# Allegro board SG2042_EVB_V2_0.brd (continued)
## Routing (per net, layer and track width the routed paths; a pad name or vN(x,y) marks a point on that pad's centre or on a via; arc(x,y) is an arc through that point) (continued)
DDR2_MA7: length 58.4
  TOP w0.173: U1.AY6 v1(93.75,209.05)
  ART07 w0.135: v1(93.75,209.05) 93.25,208.55 83.42,208.55 72.71,219.27 72.52,219.27 71.8,218.56 71.61,218.56 71.32,218.85 71.32,219.04 72.03,219.75 72.03,219.94 71.74,220.24 71.54,220.24 70.83,219.53 70.64,219.53 70.35,219.82 70.35,220.01 71.06,220.72 71.06,220.91 70.77,221.21 70.57,221.21 69.86,220.5 69.67,220.5 69.38,220.79 69.38,220.98 70.09,221.69 70.09,221.88 69.79,222.18 69.6,222.18 68.89,221.47 68.7,221.47 68.41,221.76 68.41,221.95 69.12,222.66 69.12,222.85 68.82,223.15 68.63,223.15 67.92,222.44 67.73,222.44 67.44,222.73 67.44,222.92 68.15,223.63 68.15,223.82 67.1,224.88 66.38,224.88 arc(65.85,224.98) 65.41,225.28 65.32,225.36 arc(64.92,225.63) 64.45,225.72 64.42,225.72 arc(63.95,225.82) 63.55,226.09 63.42,226.21 arc(63.02,226.48) 62.55,226.58 62.52,226.58 arc(62.05,226.67) 61.65,226.94 61.58,227.01 arc(61.12,227.32) 60.57,227.42 60.06,227.42 arc(59.52,227.53) 59.06,227.84 59.04,227.86 arc(58.58,228.17) 58.04,228.28 J3.211
DDR2_MA8: length 59
  TOP w0.173: U1.BC7 v1(94.75,206.05)
  BOTTOM w0.173: v1(94.75,206.05) 94.25,206.55 87.18,206.55 86.71,206.08 80.04,206.08 69.38,216.74 69.38,226.48 67.58,228.27 66.4,228.27 arc(65.86,228.38) 65.4,228.69 65.32,228.77 arc(64.92,229.03) 64.45,229.13 64.42,229.13 arc(63.95,229.03) 63.55,228.77 63.42,228.63 arc(63.02,228.37) 62.55,228.27 62.52,228.27 arc(62.05,228.37) 61.65,228.63 61.57,228.71 arc(61.12,229.02) 60.58,229.13 59.8,229.13 arc(59.26,229.02) 58.8,228.71 58.78,228.69 arc(58.32,228.38) 57.78,228.27 57,228.27 arc(56.46,228.17) 56,227.86 55.98,227.84 arc(55.52,227.53) 54.98,227.42 J3.68
DDR2_MA9: length 60.1
  TOP w0.173: U1.AW7 v1(94.75,210.05)
  ART05 w0.135: v1(94.75,210.05) 94.25,209.55 84.12,209.55 72.26,221.41 72.26,221.6 72.83,222.17 72.83,222.36 72.54,222.66 72.35,222.66 71.78,222.09 71.59,222.09 71.29,222.38 71.29,222.57 71.86,223.14 71.86,223.33 71.57,223.63 71.38,223.63 70.81,223.06 70.62,223.06 70.32,223.35 70.32,223.54 70.89,224.11 70.89,224.31 70.6,224.6 70.41,224.6 69.84,224.03 69.65,224.03 69.35,224.32 69.35,224.51 69.92,225.08 69.92,225.28 69.63,225.57 69.44,225.57 68.87,225 68.68,225 68.38,225.29 68.38,225.48 68.95,226.06 68.95,226.25 68.66,226.54 68.47,226.54 67.9,225.97 67.71,225.97 67.1,226.58 66.4,226.58 arc(65.86,226.68) 65.4,226.99 65.32,227.06 arc(64.92,227.33) 64.45,227.42 64.42,227.42 arc(63.95,227.52) 63.55,227.79 63.42,227.91 arc(63.02,228.18) 62.55,228.27 62.52,228.27 arc(62.05,228.37) 61.65,228.64 61.58,228.71 arc(61.12,229.02) 60.57,229.13 59.8,229.13 arc(59.26,229.23) 58.8,229.54 58.78,229.56 arc(58.32,229.87) 57.77,229.97 57,229.97 arc(56.46,229.87) 56,229.56 55.98,229.54 arc(55.52,229.23) 54.98,229.13 J3.66
DDR2_MA10: length 56.2
  TOP w0.173: U1.BE7 v1(94.75,204.05)
  ART05 w0.135: v1(94.75,204.05) 94.25,204.55 88.5,204.55 88.39,204.44 74.75,204.44 73,206.19 73,206.38 73.77,207.15 73.77,207.34 73.47,207.63 73.28,207.63 72.52,206.87 72.33,206.87 72.03,207.16 72.03,207.35 72.8,208.12 72.8,208.31 72.5,208.6 72.31,208.6 71.55,207.84 71.36,207.84 71.06,208.13 71.06,208.32 71.83,209.09 71.83,209.28 71.53,209.57 71.34,209.57 70.58,208.81 70.39,208.81 70.09,209.1 70.09,209.29 70.86,210.06 70.86,210.25 70.56,210.54 70.37,210.54 69.61,209.78 69.42,209.78 69.12,210.07 69.12,210.26 69.88,211.03 69.88,211.22 69.59,211.51 69.4,211.51 68.64,210.75 68.45,210.75 67.92,211.27 66.4,211.27 arc(65.86,211.17) 65.4,210.86 65.32,210.79 arc(64.92,210.52) 64.45,210.43 64.42,210.43 arc(63.95,210.52) 63.55,210.79 63.42,210.91 arc(63.02,211.18) 62.55,211.27 62.52,211.27 arc(62.05,211.18) 61.65,210.91 61.58,210.84 arc(61.12,210.53) 60.57,210.43 59.8,210.43 arc(59.26,210.53) 58.8,210.84 58.78,210.86 arc(58.32,211.17) 57.77,211.28 J3.225
DDR2_MA11: length 58.4
  TOP w0.173: U1.AW5 v1(92.75,210.05)
  ART07 w0.135: J3.210 57.7,230.04 arc(58.57,230.62) 59.6,230.83 60.57,230.83 arc(61.12,230.72) 61.58,230.41 61.65,230.34 arc(62.05,230.07) 62.52,229.97 62.55,229.97 arc(63.02,229.88) 63.42,229.61 63.55,229.49 arc(63.95,229.22) 64.42,229.13 64.45,229.13 arc(64.92,229.03) 65.32,228.76 65.42,228.67 arc(65.85,228.38) 66.37,228.27 67.08,228.27 67.63,227.72 67.63,227.53 66.92,226.82 66.92,226.63 67.21,226.34 67.4,226.34 68.11,227.05 68.3,227.05 68.6,226.75 68.6,226.56 67.89,225.85 67.89,225.66 68.18,225.37 68.37,225.37 69.08,226.08 69.27,226.08 69.57,225.78 69.57,225.59 68.86,224.88 68.86,224.69 69.15,224.4 69.34,224.4 70.05,225.11 70.24,225.11 70.54,224.81 70.54,224.62 69.83,223.91 69.83,223.72 70.12,223.43 70.31,223.43 71.02,224.14 71.21,224.14 71.51,223.84 71.51,223.65 70.8,222.94 70.8,222.75 71.09,222.46 71.28,222.46 71.99,223.17 72.18,223.17 72.59,222.76 72.59,220.5 83.54,209.55 92.25,209.55 v1(92.75,210.05)
DDR2_MA12: length 61.5
  TOP w0.173: U1.BB7 v1(94.75,207.05)
  BOTTOM w0.173: v1(94.75,207.05) 94.25,207.55 87.13,207.55 86.35,206.77 80.33,206.77 70.08,217.03 70.08,226.98 67.08,229.97 66.4,229.97 arc(65.86,230.08) 65.4,230.39 65.32,230.47 arc(64.92,230.73) 64.45,230.83 64.42,230.83 arc(63.95,230.73) 63.55,230.47 63.42,230.33 arc(63.02,230.07) 62.55,229.97 62.52,229.97 arc(62.05,230.07) 61.65,230.33 61.57,230.41 arc(61.12,230.72) 60.58,230.83 59.8,230.83 arc(59.26,230.72) 58.8,230.41 58.78,230.39 arc(58.32,230.08) 57.78,229.97 57,229.97 arc(56.46,229.87) 56,229.56 55.92,229.48 arc(55.52,229.22) 55.06,229.13 55.02,229.13 arc(54.55,229.22) 54.15,229.48 54.08,229.56 arc(53.62,229.87) 53.08,229.98 J3.65
DDR2_MA13: length 54.7
  TOP w0.173: U1.BG6 v1(93.75,202.05)
  ART05 w0.135: v1(93.75,202.05) U1.BG6 94.25,203.26 93.96,203.55 73.21,203.55 73.07,203.68 73.07,204.87 72.94,205 72.52,205 72.39,204.87 72.39,203.68 72.25,203.55 71.84,203.55 71.7,203.68 71.7,205.15 71.57,205.28 71.15,205.28 71.02,205.15 71.02,203.68 70.88,203.55 70.46,203.55 70.33,203.68 70.33,205.15 70.2,205.28 69.78,205.28 69.64,205.15 69.64,203.68 69.51,203.55 69.09,203.55 68.96,203.68 68.96,205.15 68.82,205.28 68.41,205.28 68.27,205.15 68.27,203.68 68.14,203.55 67.72,203.55 67.59,203.68 67.59,205.67 67.08,206.18 66.22,206.18 arc(65.84,206.25) 65.52,206.46 65.32,206.66 arc(64.92,206.93) 64.45,207.02 64.42,207.02 arc(63.95,206.93) 63.55,206.66 63.42,206.54 arc(63.02,206.27) 62.55,206.18 62.52,206.18 arc(62.05,206.08) 61.65,205.81 61.58,205.74 arc(61.12,205.43) 60.57,205.32 56.79,205.32 J3.232
DDR2_MA14: length 49.6
  TOP w0.173: U1.BE1 v1(88.75,204.05)
  ART07 w0.135: J3.228 60.57,208.73 arc(61.12,208.83) 61.58,209.14 61.65,209.21 arc(62.05,209.48) 62.52,209.57 62.55,209.57 arc(63.02,209.48) 63.42,209.21 63.55,209.09 arc(63.95,208.82) 64.42,208.73 64.45,208.73 arc(64.92,208.82) 65.32,209.09 65.49,209.25 arc(65.85,209.49) 66.27,209.57 67.5,209.57 67.63,209.44 67.63,208.06 67.77,207.92 68.19,207.92 68.32,208.06 68.32,209.44 68.45,209.57 69.62,209.57 70.23,208.97 70.23,208.78 69.34,207.89 69.34,207.7 69.63,207.41 69.82,207.41 70.71,208.29 70.9,208.29 71.2,208 71.2,207.81 70.31,206.92 70.31,206.73 70.6,206.44 70.79,206.44 71.68,207.32 71.87,207.32 72.17,207.03 72.17,206.84 71.28,205.95 71.28,205.76 71.57,205.46 71.76,205.46 72.65,206.35 72.84,206.35 73.14,206.06 73.14,205.87 72.25,204.98 72.25,204.79 72.54,204.49 72.73,204.49 73.62,205.38 73.81,205.38 75.15,204.05 v1(88.75,204.05)
DDR2_MA15: length 46.6
  TOP w0.173: U1.BF3 v1(90.75,203.05)
  ART14 w0.15: J3.86 54.98,207.02 arc(55.52,207.13) 55.98,207.44 56,207.46 arc(56.46,207.77) 57,207.87 57.78,207.87 arc(58.32,207.77) 58.78,207.46 58.8,207.44 arc(59.26,207.13) 59.8,207.02 60.57,207.02 arc(61.12,207.13) 61.58,207.44 61.65,207.51 arc(62.05,207.78) 62.52,207.87 62.55,207.87 arc(63.02,207.78) 63.42,207.51 63.55,207.39 arc(63.95,207.12) 64.42,207.02 64.45,207.02 arc(64.92,207.12) 65.32,207.39 65.4,207.46 arc(65.86,207.77) 66.4,207.87 67.11,207.87 67.53,207.45 67.75,207.45 68.19,207.89 68.41,207.89 68.71,207.59 68.71,207.38 68.26,206.93 68.26,206.72 68.56,206.42 68.78,206.42 69.22,206.87 69.44,206.87 69.74,206.56 69.74,206.35 69.29,205.9 69.29,205.69 69.59,205.39 69.8,205.39 70.25,205.84 70.46,205.84 70.77,205.53 70.77,205.32 70.32,204.87 70.32,204.66 71.68,203.3 87.69,203.3 88.43,202.55 90.25,202.55 v1(90.75,203.05)
DDR2_MA16: length 47.7
  TOP w0.173: U1.BE4 v1(91.75,204.05)
  ART14 w0.15: J3.82 54.98,210.43 arc(55.52,210.53) 55.98,210.84 56,210.86 arc(56.46,211.17) 57,211.27 57.78,211.27 arc(58.32,211.17) 58.78,210.86 58.8,210.84 arc(59.26,210.53) 59.8,210.43 60.57,210.43 arc(61.12,210.53) 61.58,210.84 61.65,210.91 arc(62.05,211.18) 62.52,211.27 62.55,211.27 arc(63.02,211.18) 63.42,210.91 63.55,210.79 arc(63.95,210.52) 64.42,210.43 64.45,210.43 arc(64.92,210.52) 65.32,210.79 65.41,210.87 arc(65.85,211.17) 66.38,211.27 67.08,211.27 67.53,210.83 67.74,210.83 68.3,211.39 68.52,211.39 68.82,211.09 68.82,210.88 68.26,210.31 68.26,210.1 68.56,209.8 68.77,209.8 69.33,210.36 69.55,210.36 69.85,210.06 69.85,209.85 69.29,209.28 69.29,209.07 74.57,203.79 88.23,203.79 88.47,203.55 91.25,203.55 v1(91.75,204.05)
DDR2_MA17: length 57.4
  TOP w0.173: U1.BF7 v1(94.75,203.05)
  BOTTOM w0.173: v1(94.75,203.05) 94.25,202.55 94.25,201.7 94.1,201.55 88.27,201.55 87.96,201.24 73.7,201.24 73.53,201.42 73.53,203.13 73.35,203.3 72.92,203.3 72.75,203.13 72.75,201.42 72.58,201.24 72.15,201.24 71.97,201.42 71.97,203.13 71.8,203.3 71.37,203.3 71.2,203.13 71.2,201.42 71.02,201.24 70.59,201.24 70.42,201.42 70.42,203.13 70.25,203.3 69.81,203.3 69.64,203.13 69.64,201.42 69.47,201.24 69.04,201.24 68.86,201.42 68.86,203.13 68.69,203.3 68.26,203.3 68.09,203.13 68.09,201.42 67.91,201.24 67.48,201.24 67.31,201.42 67.31,202.6 67.14,202.78 66.4,202.78 arc(65.86,202.67) 65.4,202.36 65.32,202.28 arc(64.92,202.02) 64.45,201.92 64.42,201.92 arc(63.95,202.02) 63.55,202.28 63.42,202.42 arc(63.02,202.68) 62.55,202.78 62.52,202.78 arc(62.05,202.68) 61.65,202.42 61.57,202.34 arc(61.12,202.03) 60.58,201.92 59.45,201.92 arc(58.56,202.1) 57.81,202.61 J3.234
DDR2_ODT0: length 45.6
  TOP w0.173: U1.BG3 v1(90.75,202.05)
  ART14 w0.15: v1(90.75,202.05) 90.25,201.55 88.54,201.55 87.32,202.77 70.51,202.77 69.46,203.82 69.46,204.04 69.73,204.31 69.73,204.52 69.42,204.82 69.21,204.82 68.94,204.55 68.73,204.55 68.43,204.85 68.43,205.06 68.7,205.34 68.7,205.55 68.39,205.85 68.18,205.85 67.91,205.58 67.7,205.58 67.1,206.18 66.4,206.18 arc(65.86,206.07) 65.4,205.76 65.32,205.69 arc(64.92,205.42) 64.45,205.32 64.42,205.32 arc(63.95,205.42) 63.55,205.69 63.42,205.81 arc(63.02,206.08) 62.55,206.18 62.52,206.18 arc(62.05,206.08) 61.65,205.81 61.58,205.74 arc(61.12,205.43) 60.57,205.32 59.8,205.32 arc(59.26,205.43) 58.8,205.74 58.78,205.76 arc(58.32,206.07) 57.78,206.18 57,206.18 arc(56.46,206.07) 56,205.76 55.92,205.69 arc(55.52,205.42) 55.05,205.32 55.02,205.32 arc(54.55,205.42) 54.15,205.69 54.08,205.76 arc(53.62,206.07) 53.08,206.18 J3.87
DDR2_ODT1: length 47.9
  TOP w0.173: U1.BF4 v1(91.75,203.05)
  ART07 w0.135: v1(91.75,203.05) 91.25,203.55 71.46,203.55 71.32,203.68 71.32,204.31 71.19,204.44 70.77,204.44 70.64,204.31 70.64,203.68 70.5,203.55 70.09,203.55 69.95,203.68 69.95,204.31 69.82,204.44 69.4,204.44 69.27,204.31 69.27,203.68 69.13,203.55 68.71,203.55 68.58,203.68 68.58,204.31 68.45,204.44 68.03,204.44 67.89,204.31 67.89,203.68 67.76,203.55 67.34,203.55 67.21,203.68 67.21,204.34 67.07,204.48 66.37,204.48 arc(65.85,204.58) 65.42,204.87 65.32,204.96 arc(64.92,205.23) 64.45,205.32 64.42,205.32 arc(63.95,205.23) 63.55,204.96 63.42,204.84 arc(63.02,204.57) 62.55,204.48 62.52,204.48 arc(62.05,204.38) 61.65,204.11 61.58,204.04 arc(61.12,203.73) 60.57,203.62 58.66,203.62 arc(58.12,203.52) 57.66,203.21 57.51,203.05 arc(57.2,202.85) 56.83,202.78 56.81,202.78 arc(56.44,202.85) 56.13,203.05 55.93,203.26 arc(55.52,203.53) 55.05,203.62 55.02,203.62 arc(54.55,203.53) 54.15,203.26 54.08,203.19 arc(53.62,202.88) 53.08,202.78 J3.91
DDR2_PAR: length 53.8
  TOP w0.173: U1.BD2 v1(89.75,205.05)
  BOTTOM w0.173: J3.222 56.81,213.84 arc(57.61,214.38) 58.57,214.57 59.24,214.57 59.41,214.75 59.41,216.51 59.58,216.69 60.01,216.69 60.19,216.51 60.19,214.75 60.36,214.57 60.79,214.57 60.96,214.75 60.96,216.51 61.14,216.69 61.57,216.69 61.74,216.51 61.74,214.75 61.91,214.57 65.17,214.57 65.34,214.75 65.34,216.51 65.51,216.69 65.95,216.69 66.12,216.51 66.12,214.75 66.29,214.57 66.72,214.57 66.9,214.75 66.9,216.51 67.07,216.69 67.5,216.69 67.67,216.51 67.67,214.75 67.85,214.57 69.6,214.57 79.47,204.7 87.35,204.7 88.2,205.55 89.25,205.55 v1(89.75,205.05)
DDR2_PLL_TESTOUT_N: length 1.4
  TOP w0.127: U1.BA9 v1(96.75,208.05)
  BOTTOM w0.127: T26.1 v1(96.75,208.05)
DDR2_PLL_TESTOUT_P: length 1.4
  TOP w0.127: U1.AY9 v1(96.75,209.05)
  BOTTOM w0.127: T25.1 v1(96.75,209.05)
DDR2_RESET_N: length 66.9
  TOP w0.173: J3.58 51.15,235.93 arc(51.01,235.95) 50.89,236.03 50.09,236.84 arc(49.84,237) T21.1 ; U1.BA5 v1(92.75,208.05)
  ART14 w0.15: J3.58 54.98,235.93 arc(55.52,235.82) 55.98,235.51 56,235.49 arc(56.46,235.18) 57,235.07 58.44,235.07 arc(58.98,235.18) 59.44,235.49 59.46,235.51 arc(59.92,235.82) 60.46,235.93 60.58,235.93 arc(61.12,235.82) 61.58,235.51 61.65,235.44 arc(62.05,235.17) 62.52,235.07 62.55,235.07 arc(63.02,235.17) 63.42,235.44 63.55,235.56 arc(63.95,235.83) 64.42,235.93 64.45,235.93 arc(64.92,235.83) 65.32,235.56 65.4,235.49 arc(65.86,235.18) 66.4,235.07 67.08,235.07 70.36,231.8 70.36,216.97 81.05,206.27 86.57,206.27 87.35,207.05 88.05,207.05 88.55,207.55 92.25,207.55 v1(92.75,208.05)
DDR2_VDDPLL: length 1
  BOTTOM w0.381: FB18.1 C1458.1
  vias: v1(104.25,218.55)
DDR2_VDDQCK: length 1
  BOTTOM w0.381: FB17.1 C1456.1
  vias: v1(104.25,219.55)
DDR3_ACT_N: length 41.1
  TOP w0.173: U1.H2 v1(89.75,242.05)
  ART03 w0.15: v1(89.75,242.05) 79.25,242.05 78.87,241.67 78.87,241.46 79.39,240.94 79.39,240.73 79.09,240.43 78.87,240.43 78.36,240.94 78.14,240.94 77.84,240.64 77.84,240.43 78.36,239.91 78.36,239.7 78.06,239.4 77.84,239.4 77.33,239.91 77.11,239.91 76.81,239.61 76.81,239.4 77.33,238.88 77.33,238.67 77.03,238.37 76.82,238.37 76.3,238.89 76.09,238.89 70.58,233.37 69.81,233.37 69.66,233.52 69.66,234.42 69.51,234.57 69.08,234.57 68.93,234.42 68.93,233.52 68.78,233.37 68.35,233.37 68.2,233.52 68.2,234.42 68.05,234.57 67.62,234.57 67.47,234.42 67.47,233.52 67.32,233.37 66.14,233.37 arc(65.84,233.31) 65.58,233.14 65.38,232.94 arc(64.92,232.63) 64.38,232.53 J4.62
DDR3_ALERT_N: length 36.6
  TOP w0.173: U1.J2 v1(89.75,241.05) ; J4.208 63.91,230.83 63.06,231.67 62.01,231.67 61.17,230.84 R2244.1
  ART03 w0.15: v1(89.75,241.05) 89.25,240.55 80.61,240.55 70.89,230.83 J4.208
DDR3_ATB0: length 1.4
  TOP w0.173: U1.R9 v1(96.75,235.05)
  BOTTOM w0.173: T29.1 v1(96.75,235.05)
DDR3_ATB1: length 1.4
  TOP w0.173: U1.P9 v1(96.75,236.05)
  BOTTOM w0.173: T30.1 v1(96.75,236.05)
DDR3_BA0: length 48.4
  TOP w0.173: U1.L4 v1(91.75,239.05)
  ART12 w0.135: v1(91.75,239.05) 91.25,239.55 89.26,239.55 88.73,239.02 84.62,239.02 73.74,228.15 73.74,219.64 67.08,212.97 66.28,212.97 arc(65.85,212.89) 65.48,212.64 65.32,212.49 arc(64.92,212.22) 64.45,212.13 64.42,212.13 arc(63.95,212.03) 63.55,211.76 63.48,211.69 arc(63.02,211.38) 62.47,211.28 J4.81
DDR3_BA1: length 46.1
  TOP w0.173: U1.L5 v1(92.75,239.05)
  ART12 w0.135: J4.224 67.09,212.13 67.8,212.84 67.99,212.84 68.36,212.47 68.55,212.47 68.85,212.77 68.85,212.96 68.48,213.32 68.48,213.51 68.77,213.81 68.96,213.81 69.33,213.44 69.52,213.44 69.82,213.74 69.82,213.93 69.45,214.29 69.45,214.48 74.22,219.25 74.22,227.95 84.81,238.55 92.25,238.55 v1(92.75,239.05)
DDR3_BG0: length 45.7
  TOP w0.173: U1.J3 v1(90.75,241.05)
  ART03 w0.15: v1(90.75,241.05) 90.25,241.55 80.91,241.55 76.54,237.18 76.32,237.18 75.81,237.69 75.6,237.69 75.29,237.39 75.29,237.18 75.81,236.66 75.81,236.45 75.51,236.15 75.3,236.15 74.78,236.66 74.57,236.66 74.26,236.36 74.26,236.15 74.78,235.63 74.78,235.42 74.48,235.12 74.27,235.12 73.75,235.64 73.54,235.64 73.23,235.33 73.23,235.12 73.75,234.6 73.75,234.39 73.45,234.09 73.24,234.09 72.72,234.61 72.51,234.61 72.2,234.3 72.2,234.09 72.72,233.57 72.72,233.36 72.42,233.06 72.21,233.06 71.69,233.58 71.48,233.58 71.18,233.27 71.18,233.06 71.69,232.55 71.69,232.33 71.39,232.03 71.18,232.03 70.66,232.55 70.45,232.55 69.58,231.67 68.65,231.67 68.5,231.82 68.5,232.34 68.35,232.49 67.92,232.49 67.77,232.34 67.77,231.82 67.62,231.67 66.16,231.67 arc(65.84,231.61) 65.56,231.42 65.32,231.19 arc(64.92,230.92) 64.45,230.83 64.42,230.83 arc(63.95,230.92) 63.55,231.19 63.48,231.26 arc(63.02,231.57) 62.48,231.68 J4.63
DDR3_BG1: length 45.4
  TOP w0.173: J4.207 67.11,231.68 67.62,232.18 71.05,232.18 71.66,231.57 71.9,231.57 72.21,231.87 72.21,232.12 71.6,232.73 71.6,232.98 71.9,233.28 72.15,233.28 72.76,232.67 73,232.67 73.31,232.97 73.31,233.22 72.7,233.83 72.7,234.08 73,234.38 73.25,234.38 73.86,233.77 74.1,233.77 74.41,234.07 74.41,234.32 73.8,234.93 73.8,235.18 74.1,235.48 74.35,235.48 74.96,234.87 75.2,234.87 75.51,235.17 75.51,235.42 74.89,236.03 74.89,236.27 75.2,236.58 75.44,236.58 76.06,235.97 76.3,235.97 76.61,236.27 76.61,236.52 75.99,237.13 75.99,237.37 76.3,237.68 76.54,237.68 77.16,237.07 77.4,237.07 77.71,237.37 77.71,237.62 77.09,238.23 77.09,238.47 77.4,238.78 77.64,238.78 78.26,238.17 78.5,238.17 78.81,238.47 78.81,238.71 78.19,239.33 78.19,239.57 78.5,239.88 78.74,239.88 79.36,239.26 79.6,239.26 79.91,239.57 79.91,239.81 79.29,240.43 79.29,240.67 79.6,240.98 79.84,240.98 80.46,240.36 80.7,240.36 81.89,241.55 U1.H1
DDR3_CAL_0: length 2.4
  TOP w0.173: U1.U9 v1(96.75,233.05)
  BOTTOM w0.173: v1(96.75,233.05) T28.1 96.25,233.55 R2385.1
DDR3_CID0: length 56.4
  TOP w0.173: U1.P7 v1(94.75,236.05)
  ART10 w0.135: J4.93 62.47,201.08 arc(63.02,201.18) 63.48,201.49 63.55,201.56 arc(63.95,201.83) 64.42,201.92 64.45,201.92 arc(64.92,202.02) 65.32,202.29 65.49,202.45 arc(65.85,202.69) 66.27,202.78 67.04,202.78 68.85,204.59 70.19,209.16 76.09,226.83 83.9,234.64 88.43,234.64 88.51,234.55 93.96,234.55 94.25,234.84 94.25,235.55 v1(94.75,236.05)
DDR3_CID1: length 52.2
  TOP w0.173: U1.R6 v1(93.75,235.05)
  ART12 w0.135: v1(93.75,235.05) 93.25,234.55 83.49,234.55 76.11,227.17 76.11,217.39 66.84,201.41 arc(66.6,201.16) 66.26,201.08 J4.237
DDR3_CKE0: length 48.5
  TOP w0.173: J4.60 64.38,234.23 arc(64.92,234.12) 65.37,233.81 65.46,233.72 arc(65.85,233.47) 66.3,233.37 69.02,233.37 69.65,234.01 69.9,234.01 70.65,233.25 70.9,233.25 71.2,233.56 71.2,233.8 70.45,234.56 70.45,234.81 70.75,235.11 71,235.11 71.75,234.35 72,234.35 72.3,234.66 72.3,234.9 71.55,235.66 71.55,235.91 71.85,236.21 72.1,236.21 72.85,235.45 73.1,235.45 73.4,235.76 73.4,236 72.64,236.76 72.64,237 72.95,237.31 73.19,237.31 73.95,236.55 74.2,236.55 74.5,236.86 74.5,237.1 73.74,237.86 73.74,238.1 74.05,238.41 74.29,238.41 75.05,237.65 75.3,237.65 75.6,237.96 75.6,238.2 74.84,238.96 74.84,239.2 75.15,239.51 75.39,239.51 76.15,238.75 76.39,238.75 76.7,239.06 76.7,239.3 75.94,240.06 75.94,240.3 76.25,240.61 76.49,240.61 77.25,239.85 77.49,239.85 77.8,240.16 77.8,240.4 77.04,241.16 77.04,241.4 77.35,241.71 77.59,241.71 78.35,240.95 78.59,240.95 79.88,242.24 88.94,242.24 U1.G1
DDR3_CKE1: length 45.4
  TOP w0.173: U1.F3 v1(91.75,244.05)
  ART03 w0.15: v1(91.75,244.05) U1.F3 91.25,242.84 90.96,242.55 78.44,242.55 78.06,242.93 77.85,242.93 77.55,242.62 77.55,242.41 78.12,241.84 78.12,241.62 77.82,241.32 77.61,241.32 77.03,241.9 76.82,241.9 76.52,241.59 76.52,241.38 77.1,240.81 77.1,240.6 76.79,240.29 76.58,240.29 76.01,240.87 75.79,240.87 75.49,240.57 75.49,240.35 76.07,239.78 76.07,239.57 75.76,239.26 75.55,239.26 74.98,239.84 74.76,239.84 74.46,239.54 74.46,239.32 75.04,238.75 75.04,238.54 74.73,238.23 74.52,238.23 73.95,238.81 73.74,238.81 73.43,238.51 73.43,238.3 74.01,237.72 74.01,237.51 73.7,237.21 73.49,237.21 72.92,237.78 72.71,237.78 72.4,237.48 72.4,237.27 72.98,236.69 72.98,236.48 72.68,236.18 72.46,236.18 71.89,236.75 71.68,236.75 71.37,236.45 71.37,236.24 71.95,235.66 71.95,235.45 71.65,235.15 71.43,235.15 70.86,235.72 70.65,235.72 70,235.08 J4.203
DDR3_CLK0_N: length 46.9
  TOP w0.173: U1.J5 v1(92.75,241.05)
  ART12 w0.112: 87.86,241.43 87.89,241.43 87.9,241.44 93.16,241.44 93.26,241.33 93.26,241.17 93.15,241.05 v1(92.75,241.05)
  ART12 w0.117: 87.86,241.43 84.22,241.43 71.76,228.97 71.76,227.37 70.91,226.52 70.55,226.52 69.98,227.09 69.81,227.09 69.38,226.66 69.38,226.5 69.95,225.93 69.95,225.56 69.38,224.99 69.01,224.99 68.44,225.56 68.28,225.56 67.85,225.13 67.85,224.96 68.42,224.39 68.42,224.03 67.44,223.05 66.2,223.05 arc(65.89,222.99) 65.62,222.82 65.38,222.57 arc(64.97,222.3) 64.49,222.2 64.38,222.2 arc(63.99,222.13) 63.67,221.91 63.53,221.77 arc(63.07,221.46) 62.52,221.35 61.89,221.35 arc(61.74,221.36) 61.59,221.37 J4.75
DDR3_CLK0_P: length 46.9
  TOP w0.173: U1.J6 v1(93.75,241.05)
  ART12 w0.112: 87.86,241.67 87.89,241.67 87.9,241.66 93.25,241.66 93.49,241.43 93.49,241.31 v1(93.75,241.05)
  ART12 w0.117: J4.74 61.86,222.05 arc(61.76,221.92) 61.77,221.77 61.79,221.74 arc(61.88,221.63) 62.02,221.6 62.52,221.6 arc(62.97,221.69) 63.36,221.95 63.49,222.08 arc(63.9,222.35) 64.38,222.45 64.49,222.45 arc(64.88,222.52) 65.21,222.74 65.45,222.99 arc(65.79,223.22) 66.2,223.3 67.34,223.3 68.17,224.13 68.17,224.29 67.6,224.86 67.6,225.23 68.18,225.8 68.54,225.8 69.11,225.23 69.28,225.23 69.71,225.66 69.71,225.83 69.14,226.4 69.14,226.76 69.71,227.34 70.08,227.34 70.65,226.77 70.81,226.77 71.52,227.47 71.52,229.07 84.12,241.67 87.86,241.67
DDR3_CLK1_N: length 47.9
  TOP w0.173: U1.K6 v1(93.75,240.05)
  ART12 w0.112: v1(93.75,240.05) 94.15,240.05 94.26,240.16 94.26,240.33 94.16,240.44 89.11,240.44 88.94,240.26 87.9,240.26 87.89,240.25 87.86,240.25
  ART12 w0.117: J4.219 65.39,221.37 arc(65.54,221.36) 65.69,221.35 67.44,221.35 68.06,221.97 68.23,221.97 69.1,221.1 69.47,221.1 70.04,221.67 70.04,222.04 69.17,222.91 69.17,223.08 69.6,223.51 69.76,223.51 70.63,222.64 71,222.64 71.57,223.21 71.57,223.58 70.7,224.45 70.7,224.61 71.13,225.04 71.3,225.04 71.99,224.35 72.36,224.35 72.93,224.92 72.93,225.29 72.24,225.98 72.24,226.15 72.93,226.84 72.93,228.48 84.7,240.25 87.86,240.25
DDR3_CLK1_P: length 47.9
  TOP w0.173: U1.K7 v1(94.75,240.05)
  ART12 w0.112: 87.86,240.5 87.89,240.5 87.9,240.49 88.84,240.49 89.02,240.66 94.25,240.66 94.48,240.43 94.48,240.32 v1(94.75,240.05)
  ART12 w0.117: J4.218 65.66,222.05 arc(65.56,221.92) 65.57,221.75 65.58,221.75 arc(65.68,221.64) 65.82,221.6 67.34,221.6 67.96,222.22 68.33,222.22 69.2,221.34 69.36,221.34 69.79,221.77 69.79,221.94 68.92,222.81 68.92,223.18 69.5,223.75 69.86,223.75 70.73,222.88 70.9,222.88 71.33,223.31 71.33,223.47 70.46,224.35 70.46,224.71 71.03,225.29 71.4,225.29 72.09,224.59 72.26,224.59 72.69,225.02 72.69,225.19 71.99,225.88 71.99,226.25 72.69,226.94 72.69,228.59 84.6,240.5 87.86,240.5
DDR3_CS_N0: length 47.5
  TOP w0.173: U1.N4 v1(91.75,237.05)
  ART12 w0.135: J4.84 64.37,208.73 arc(64.92,208.83) 65.38,209.14 65.54,209.31 arc(65.84,209.5) 66.19,209.57 67.08,209.57 75.16,217.66 75.16,227.56 84.15,236.55 91.25,236.55 v1(91.75,237.05)
DDR3_CS_N1: length 51.7
  TOP w0.173: U1.P4 v1(91.75,236.05)
  ART10 w0.135: J4.89 62.47,204.48 arc(63.02,204.37) 63.48,204.06 63.55,203.99 arc(63.95,203.72) 64.42,203.62 64.45,203.62 arc(64.92,203.72) 65.32,203.99 65.48,204.14 arc(65.85,204.39) 66.28,204.48 67.06,204.48 68.85,206.27 69.74,209.3 75.68,227.08 84.14,235.55 91.25,235.55 v1(91.75,236.05)
DDR3_DM0_N: length 58.7
  TOP w0.109: 100.88,250.38 100.88,250.36 100.86,250.34 100.86,247.97 100.44,247.55 U1.B12
  TOP w0.127: 100.88,250.38 100.88,253.5 84.37,270.01 82.51,270.01 73.11,279.4 66.24,279.4 arc(65.79,279.31) 65.42,279.06 65.2,278.84 arc(64.88,278.63) 64.5,278.55 64.38,278.55 arc(63.9,278.46) 63.49,278.19 63.35,278.04 arc(62.97,277.79) 62.53,277.7 62.47,277.7 arc(62.06,277.78) 61.71,278.02 61.45,278.27 arc(61.38,278.42) 61.4,278.59 61.43,278.64 arc(61.48,278.7) 61.55,278.75 61.55,278.75 arc(61.68,278.77) 61.8,278.74 J4.8
DDR3_DM0_P: length 58.6
  TOP w0.109: 100.62,250.38 100.62,250.36 100.64,250.34 100.64,250.13 100.51,250 100.51,249.76 100.64,249.63 100.64,249.39 100.51,249.26 100.51,249.02 100.64,248.89 100.64,248.05 100.52,247.93 100.36,247.93 100.25,248.04 U1.A12
  TOP w0.127: 100.62,250.38 100.62,253.39 84.27,269.75 82.41,269.75 73.01,279.15 66.24,279.15 arc(65.89,279.08) 65.6,278.88 65.38,278.66 arc(64.97,278.39) 64.5,278.3 64.38,278.3 arc(63.99,278.22) 63.67,278.01 63.53,277.86 arc(63.07,277.56) 62.53,277.45 62.47,277.45 arc(61.96,277.55) 61.53,277.84 61.27,278.09 arc(61.15,278.25) 61.07,278.43 J4.7
DDR3_DM1_N: length 49.9
  TOP w0.109: 95.1,250.68 95.12,250.66 95.15,250.66 95.64,250.17 95.64,249.75 arc(95.6,249.65) 95.5,249.61 arc(95.4,249.57) 95.36,249.47 95.36,249.32 arc(95.4,249.22) 95.5,249.17 arc(95.6,249.13) 95.64,249.03 95.64,248.05 95.52,247.93 95.36,247.93 95.25,248.04 U1.A7
  TOP w0.127: 95.1,250.68 89.9,255.88 74.6,255.88 71.58,258.9 71.58,264.54 67.17,268.95 66.15,268.95 arc(65.79,269.02) 65.48,269.23 65.23,269.47 arc(64.87,269.71) 64.45,269.8 64.42,269.8 arc(64,269.71) 63.64,269.47 63.53,269.37 arc(63.07,269.06) 62.52,268.95 61.91,268.95 arc(61.74,268.95) 61.57,268.97 J4.19
